# Altium PCB hep-0001.PcbDoc (part 1 of 2) (continued)
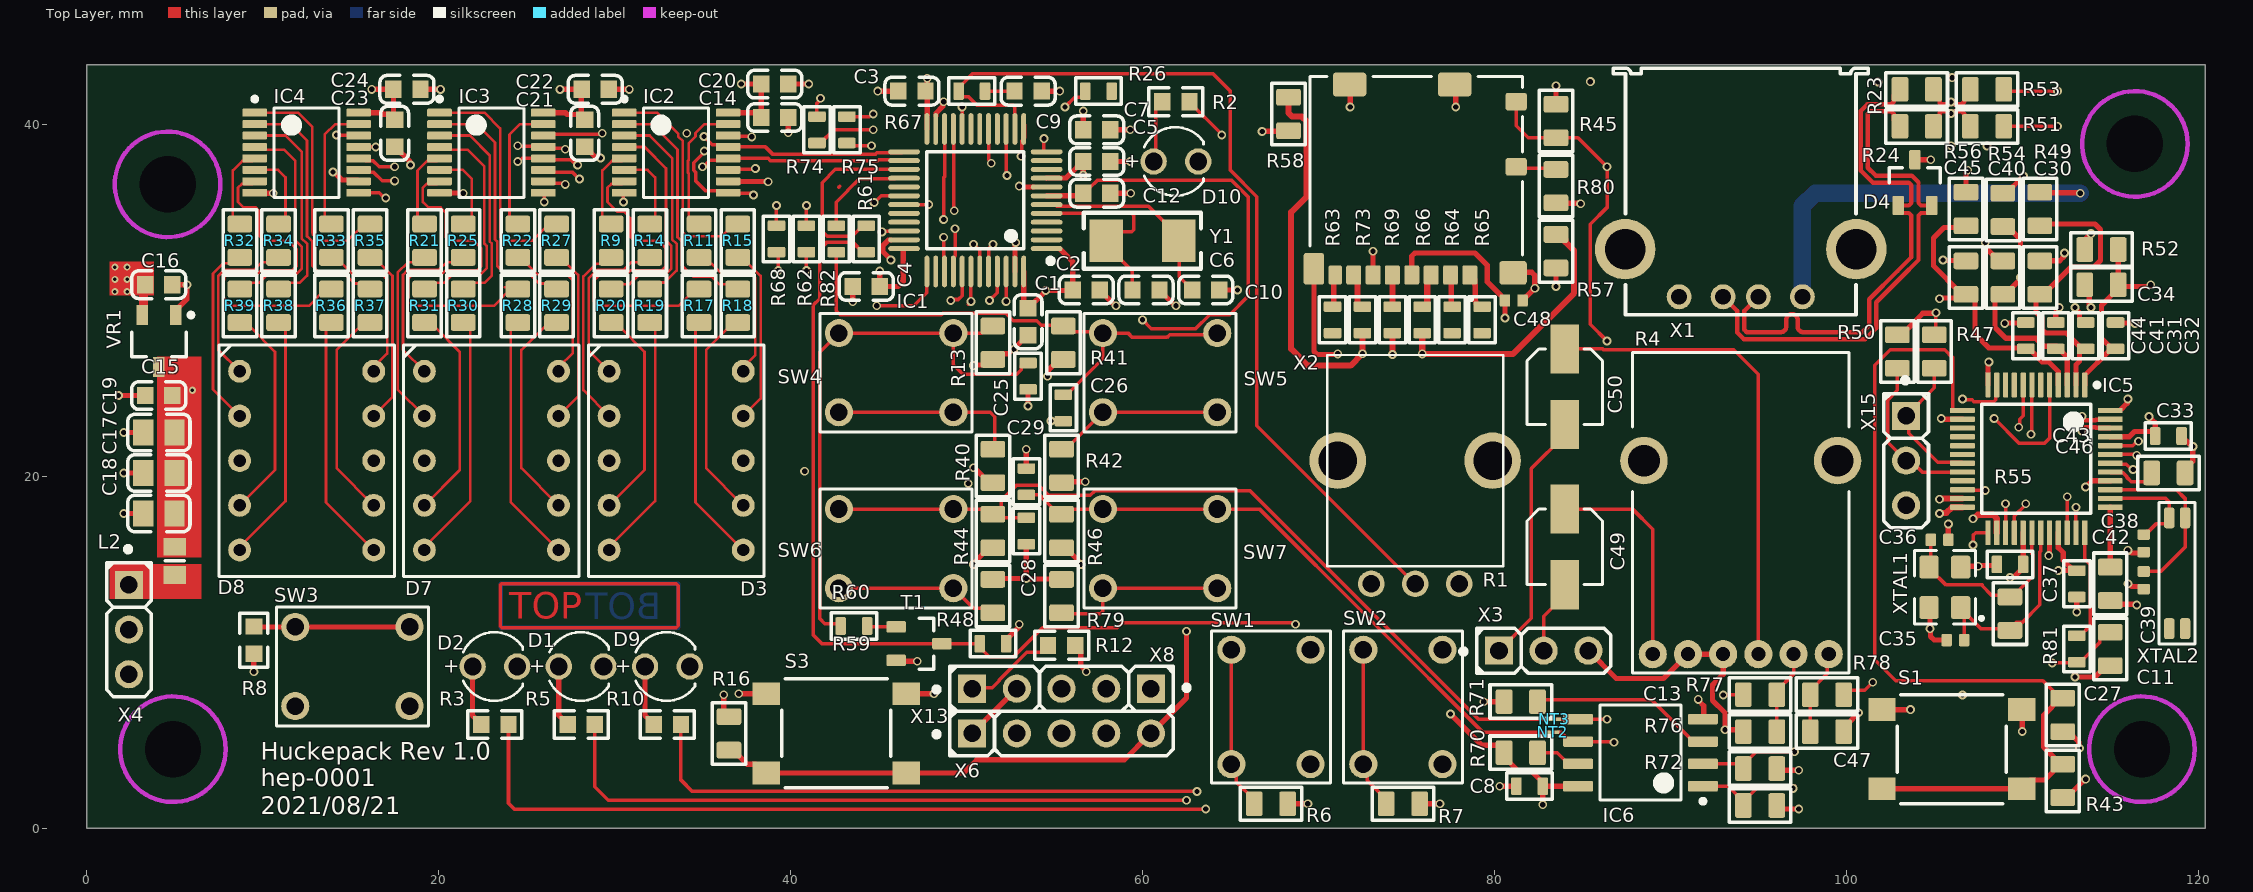
[diagram p0: Top Layer view]
## Footprints (in the part's own frame and the unit in brackets; to place one, negate y for a bottom-side part, rotate by r counter-clockwise, add the part's x,y. Pads: shape width x height; smd on the part's side, far side on the other; paste and mask are expansions set on the pad)
6-0805_L [mm] "Chip Resistor, Body 2.0x1.2mm, IPC High Density"
  rect 1x1.3 smd: 1(-0.8,0) 2(0.8,0)
  silkscreen extent 0,-0.55 0,0.55, body extent -1.07,-0.7 1.07,0.7, height 0.7
0603_C [mm]
  rect 0.93x0.98 smd: 1(-0.77,0) 2(0.77,0)
  silkscreen extent -1.53,-0.79 1.54,0.79, body extent -0.8,-0.4 0.8,0.4, height 0.3
0603_R [mm]
  rect 0.93x0.98 smd: 1(-0.77,0) 2(0.77,0)
  silkscreen extent -1.53,-0.79 1.54,0.79, body extent -0.85,-0.4 0.85,0.4, height 0.56
0805_C [mm]
  rect 1.16x1.47 smd: 1(-0.89,0) 2(0.89,0)
  silkscreen extent -1.77,-1.04 1.77,1.04, body extent -1,-0.62 1,0.63, height 0.77
430182070816 [mm] "SMD Tact Switch, body 6x6mm"
  rect 1.55x1.3 smd: 1(-3.975,2.25) 2(-3.975,-2.25) 3(3.975,2.25) 4(3.975,-2.25)
  silkscreen extent -3.1,-3.1 3.1,3.1, body extent -4.5,-3.1 4.5,3.1, height 7
CAPAE4643X54M [mm] "Aluminum Electrolytic Capacitor, Body 4,30x4,30x5,40mm, IPC Low Density"
  rect 2.8x1.6 smd: 1(-2.15,0) 2(2.15,0)
  silkscreen extent -2.15,-2.15 2.15,2.15, body extent -2.3,-2.15 2.3,2.15, height 5.4
CAPC1005X55 [mm] "Chip Capacitor, 2-Leads, Body 1,0x0,5mm, imperial 0402"
  rrect25% 0.6x0.7 smd: 1(-0.5,0) 2(0.5,0)
  body extent -0.5,-0.3 0.5,0.3, height 0.55
CAPC1608X95N [mm] "Chip Capacitor, 2-Leads, Body 1,6x0,8mm, imperial 0603"
  rrect25% 0.6x1 smd: 1(-0.75,0) 2(0.75,0)
  silkscreen extent -1.3,-0.75 1.3,0.75, body extent -0.8,-0.4 0.8,0.4, height 0.3
CAPC2012X145N [mm] "Chip Capacitor, 2-Leads, Body 2,0x1,25mm, imperial 0805"
  rrect25% 0.95x1.4 smd: 1(-0.95,0) 2(0.95,0)
  silkscreen extent -1.75,-0.95 1.75,0.95, body extent -1,-0.62 1,0.63, height 0.78
CON_HEADER2.54_1x2W [mm]
  rect 1.6x1.6 hole 1: 1(0,2.54)
  round 1.6 hole 1: 2(0,0)
  silkscreen extent -1.27,-1.31 1.27,4.71, body extent -1.27,-1.27 1.27,3.81, height 9.51
CON_HEADER2.54_1x3W [mm]
  rect 1.6x1.6 hole 1: 1(0,2.54)
  round 1.6 hole 1: 2(0,0) 3(0,-2.54)
  silkscreen extent -1.27,-3.81 1.27,4.71, body extent -1.27,-3.81 1.27,3.94, height 8.39
CON_HEADER2.54_1x5W [mm]
  rect 1.6x1.6 hole 1: 1(0,5.08)
  round 1.6 hole 1: 2(0,2.54) 3(0,0) 4(0,-2.54) 5(0,-5.08)
  silkscreen extent -1.27,-6.35 1.27,7.25, body extent -1.27,-6.35 1.27,6.48, height 8.39
CON_USBA_F_61400416021 [mm] "USB Connector"
  round 1.42 hole 0.9: 1(-3.5,5.99) 2(-1,5.99) 3(1,5.99) 4(3.5,5.99)
  round 3.45 hole 2.3: S1(-6.57,3.28) S2(6.57,3.28)
  silkscreen extent -7.25,-7 7.25,7, body extent -8,-7 8,7, height 7.63
Epson_MC-146 [mm] "Crystals 32.768KHz"
  rrect50% 1.2x0.6 smd mask+0.075: 1(-3.15,-0.45) 2(3.15,-0.45) 3(3.15,0.45) 4(-3.15,0.45)
  silkscreen extent -4.03,-1.02 4.03,1.02, body extent -3.45,-0.7 3.45,0.7, height 1.3
LQFP-48_7x7x05P [mm]
  oval 0.28x1.8 smd mask+0.051: 1(-2.75,-4.05) 2(-2.25,-4.05) 3(-1.75,-4.05) 4(-1.25,-4.05) 5(-0.75,-4.05) 6(-0.25,-4.05) 7(0.25,-4.05) 8(0.75,-4.05) 9(1.25,-4.05) 10(1.75,-4.05) 11(2.25,-4.05) 12(2.75,-4.05) 25(2.75,4.05) 26(2.25,4.05) 27(1.75,4.05) 28(1.25,4.05) 29(0.75,4.05) 30(0.25,4.05) 31(-0.25,4.05) 32(-0.75,4.05) 33(-1.25,4.05) 34(-1.75,4.05) 35(-2.25,4.05) 36(-2.75,4.05)
  oval 1.8x0.28 smd mask+0.051: 13(4.05,-2.75) 14(4.05,-2.25) 15(4.05,-1.75) 16(4.05,-1.25) 17(4.05,-0.75) 18(4.05,-0.25) 19(4.05,0.25) 20(4.05,0.75) 21(4.05,1.25) 22(4.05,1.75) 23(4.05,2.25) 24(4.05,2.75) 37(-4.05,2.75) 38(-4.05,2.25) 39(-4.05,1.75) 40(-4.05,1.25) 41(-4.05,0.75) 42(-4.05,0.25) 43(-4.05,-0.25) 44(-4.05,-0.75) 45(-4.05,-1.25) 46(-4.05,-1.75) 47(-4.05,-2.25) 48(-4.05,-2.75)
  silkscreen extent -3.6,-4.43 2.75,2.75, body extent -4.5,-4.5 4.5,4.5, height 1.6
LTS-4301WC [mm]
  round 1.3 hole 0.7: 1(-3.81,5.08) 2(-3.81,2.54) 3(-3.81,0) 4(-3.81,-2.54) 5(-3.81,-5.08) 6(3.81,-5.08) 7(3.81,-2.54) 8(3.81,0) 9(3.81,2.54) 10(3.81,5.08)
  silkscreen extent -4.98,-6.59 4.99,6.59, body extent -4.85,-6.45 4.85,6.45, height 4
MOLEX_104031-0811 [mm]
  rrect25% 0.85x1.1 smd mask+0.05: 1(3.105,-5.45) 2(2.005,-5.45) 3(0.905,-5.45) 4(-0.195,-5.45) 5(-1.295,-5.45) 6(-2.395,-5.45) 7(-3.495,-5.45)
  rrect25% 0.75x1.1 smd mask+0.05: 8(-4.545,-5.45)
  rrect25% 1.2x1 smd mask+0.05: 9(5.74,0.7) 10(5.74,4.4)
  rrect25% 1.55x1.35 smd mask+0.05: G1(5.565,-5.325)
  rrect25% 1.17x1.8 smd mask+0.05: G2(-5.755,-5.1)
  rrect25% 1.9x1.35 smd mask+0.05: G3(-3.73,5.375) G4(2.24,5.375)
  silkscreen extent -5.97,-6.9 6.11,5.83, body extent -6.17,-5.35 5.78,6.05, height 1.44
NET_TIE_0.2MM [mm] "NET_TIE_0.2MM"
  rect 0.4x0.2 smd paste-10 mask-10: 1(-0.175,0) 2(0.175,0)
NET_TIE_3MM [mm] "NET_TIE_3MM"
  rect 0.6x3 smd paste-10 mask-10: 1(-0.25,0) 2(0.25,0)
PTV09 [mm]
  round 1.508 hole 1: 1(-2.5,-7) 2(0,-7) 3(2.5,-7)
  round 3.216 hole 2.2: NC1(-4.4,0) NC2(4.4,0)
  silkscreen extent -5,-6 5,6, body extent -5.89,-6.8 5.5,5.8, height 25.5
RESC1608X55N [mm] "Chip Resistor, 2-Leads, Body 1,6x0,85mm, imperial 0603"
  rrect25% 0.6x1 smd: 1(-0.75,0) 2(0.75,0)
  silkscreen extent -1.3,-0.75 1.3,0.75, body extent -0.8,-0.4 0.8,0.4, height 0.55
RESC2012X70N [mm] "Chip Resistor, 2-Leads, Body 2,0x1,25mm, imperial 0805"
  rrect25% 0.95x1.4 smd: 1(-0.95,0) 2(0.95,0)
  silkscreen extent -1.75,-0.95 1.75,0.95, body extent -1,-0.6 1,0.6, height 0.7
rk12l123 [mm] "12mm Size Insulated Shaft Snap-in Type"
  round 1.6 hole 0.8: 1(-1,-11) 2(1,-11) 3(3,-11) 4(-3,-11) 5(-5,-11) 6(5,-11)
  round 2.7 hole 1.8: MT(-5.5,0) MT(5.5,0)
  silkscreen extent -6.14,-12.07 6.14,6.13, body extent -6.8,-11.3 6.8,6, height 25
SMD-5032_2P [mm]
  rect 1.9x2.4 smd: 1(-2.05,0) 2(2.05,0)
  silkscreen extent -3.32,-1.6 3.32,1.6
SOIC127P790X216-8N [mm] "SOIC, 8-Leads, Body 5,28x5,28mm, Pitch 1,27mm, IPC Medium Density"
  rrect25% 1.7x0.6 smd: 1(-3.55,1.905) 2(-3.55,0.635) 3(-3.55,-0.635) 4(-3.55,-1.905) 5(3.55,-1.905) 6(3.55,-0.635) 7(3.55,0.635) 8(3.55,1.905)
  silkscreen extent -3.68,-2.7 2.3,2.88, body extent -3.95,-2.7 3.95,2.7, height 2.16
SOT95P280X135-3N_123 [mm] "SOT23, 3-Leads, Body 3,0x3,0mm (max), Pitch 0,95mm, IPC Medium Density"
  rrect25% 1.1x0.65 smd: 1(-1.3,0.95) 2(-1.3,-0.95) 3(1.3,0)
  silkscreen extent 0,-1.45 0.85,1.45, body extent -1.3,-1.5 1.34,1.5, height 1.08
SOT95P280X135-3N_BEC [mm] "SOT23, 3-Leads, Body 3,0x3,0mm (max), Pitch 0,95mm, IPC Medium Density"
  rrect25% 1.1x0.65 smd: B(-1.3,0.95) C(1.3,0) E(-1.3,-0.95)
  silkscreen extent 0,-1.45 0.85,1.45, body extent -1.3,-1.5 1.34,1.5, height 1.08
SOT-23-3L [mm] "http://www.aosmd.com/res/packaging_information/SOT-23-3L.pdf"
  rect 1.15x0.65 smd: 1(1.475,-0.95) 2(1.475,0.95) 3(-1.475,0)
  silkscreen extent -0.9,-1.95 1.6,1.55, body extent -0.9,-1.55 0.9,1.55, height 1.25
TL1105D [mm] "Tastschalter SPST-Schließer Von oben betätigt Durchkontaktierung"
  round 1.6 hole 1: 1(-3.25,2.25) 2(-3.25,-2.25) 3(3.25,2.25) 4(3.25,-2.25)
  silkscreen extent -4.33,-3.37 4.33,3.37, body extent -3.95,-3 3.95,3, height 13.01
TSOP65P640X120-16N_2 [mm] "TSOP, 16-Leads, Body 5,00x4,40mm, Pitch 0,65mm, IPC Medium Density"
  rrect25% 1.4x0.45 smd mask+0.05: 1(-2.95,2.275) 2(-2.95,1.625) 3(-2.95,0.975) 4(-2.95,0.325) 5(-2.95,-0.325) 6(-2.95,-0.975) 7(-2.95,-1.625) 8(-2.95,-2.275) 9(2.95,-2.275) 10(2.95,-1.625) 11(2.95,-0.975) 12(2.95,-0.325) 13(2.95,0.325) 14(2.95,0.975) 15(2.95,1.625) 16(2.95,2.275)
  silkscreen extent -3.07,-2.55 1.85,3.17, body extent -3.2,-2.55 3.2,2.55, height 1.2
TSQFP50P900X900X160-48N [mm] "TSQFP, 48-Leads, Body 7,00x7,00mm, Pitch 0,50mm, IPC Medium Density"
  rrect25% 1.4x0.3 smd mask+0.05: 1(-4.2,2.75) 2(-4.2,2.25) 3(-4.2,1.75) 4(-4.2,1.25) 5(-4.2,0.75) 6(-4.2,0.25) 7(-4.2,-0.25) 8(-4.2,-0.75) 9(-4.2,-1.25) 10(-4.2,-1.75) 11(-4.2,-2.25) 12(-4.2,-2.75) 25(4.2,-2.75) 26(4.2,-2.25) 27(4.2,-1.75) 28(4.2,-1.25) 29(4.2,-0.75) 30(4.2,-0.25) 31(4.2,0.25) 32(4.2,0.75) 33(4.2,1.25) 34(4.2,1.75) 35(4.2,2.25) 36(4.2,2.75)
  rrect25% 0.3x1.4 smd mask+0.05: 13(-2.75,-4.2) 14(-2.25,-4.2) 15(-1.75,-4.2) 16(-1.25,-4.2) 17(-0.75,-4.2) 18(-0.25,-4.2) 19(0.25,-4.2) 20(0.75,-4.2) 21(1.25,-4.2) 22(1.75,-4.2) 23(2.25,-4.2) 24(2.75,-4.2) 37(2.75,4.2) 38(2.25,4.2) 39(1.75,4.2) 40(1.25,4.2) 41(0.75,4.2) 42(0.25,4.2) 43(-0.25,4.2) 44(-0.75,4.2) 45(-1.25,4.2) 46(-1.75,4.2) 47(-2.25,4.2) 48(-2.75,4.2)
  silkscreen extent -4.32,-3.1 3.1,3.57, body extent -4.5,-4.5 4.5,4.5, height 1.6
WL-TMRC_3MM_10MM_SPACE [mm] "THT Mono-color Round Color LED, 2-leads"
  round 1.5 hole 1: 1(1.27,0) 2(-1.27,0)
  silkscreen extent -1.8,-1.95 1.57,1.95, body extent -2.13,-2.25 2.13,2.25, height 15.3
XTAL_ECS-122.8-10-33-AGL-TR [mm] "XTAL_ECS-122.8-10-33-AGL-TR"
  rrect25% 1.3x1.1 smd: 1(-1.15,-0.9) 2(1.15,-0.9) 3(1.15,0.9) 4(-1.15,0.9)
  silkscreen extent -2.08,-2.17 2.08,1.74, body extent -1.6,-1.25 1.6,1.25, height 0.8

## Part data
C1 C2 C3 C12 C14 C21 C23: library part "0603 100nF (104) 10% 50V", "Chip capacitors", Manufacturer=YAGEO, Package=0603, PartNumber=CC0603KRX7R9BB104, SuppliersPartNumber=C14663, Tolerance=10%, Voltage=50V, Capacitance=100nF, ComponentLink1Description="Supplier link", ComponentLink1URL=http://www.szlcsc.com/product/details_15331.html, Supplier=LC
C4: library part "0603 4.7uF (475) 10% 16V", "Chip capacitors", Manufacturer="Samsung Electro-Mechanics", Package=0603, PartNumber=CL10A475KO8NNNC, SuppliersPartNumber=C19666, Tolerance=10%, Voltage=16V, Capacitance=4.7uF, ComponentLink1Description="Supplier link", ComponentLink1URL=http://www.szlcsc.com/product/details_20375.html, Supplier=LC
C5 C9 C15 C16 C20 C22 C24: library part "0603 1uF (105) 10% 50V", "Chip capacitors", Manufacturer="Samsung Electro-Mechanics", Package=0603, PartNumber=CL10A105KB8NNNC, SuppliersPartNumber=C15849, Tolerance=10%, Voltage=50V, Capacitance=1uF, ComponentLink1Description="Supplier link", ComponentLink1URL=http://www.szlcsc.com/product/details_16531.html, Supplier=LC
C6 C10: library part "0603 22pF (220) 5% 50V", "Chip capacitors", Manufacturer="Samsung Electro-Mechanics", Package=0603, PartNumber=CL10C220JB8NNNC, SuppliersPartNumber=C1653, Tolerance=5%, Voltage=50V, Capacitance=22pF, ComponentLink1Description="Supplier link", ComponentLink1URL=http://www.szlcsc.com/product/details_2005.html, Supplier=LC
C7: library part "0603 10nF (103) 10% 50V", "Chip capacitors", Manufacturer="Guangdong Fenghua Advanced Tech", Package=0603, PartNumber=0603B103K500NT, SuppliersPartNumber=C57112, Tolerance=10%, Voltage=50V, Capacitance=10nF, ComponentLink1Description="Supplier link", ComponentLink1URL=http://www.szlcsc.com/product/details_58143.html, Supplier=LC
C8 C25 C26 C28 C29 C31 C32 C33 C37 C41 C44 C46: library part CAP_100nF_0603, "Multilayer Ceramic Capacitors MLCC - SMD/SMT, 100nF", JLC=C14663, Manufacturer=YAGEO, Manufacturer Part Number=CC0603KRX7R9BB104, Tolerance=10%, Voltage Rating=50VDC, Alternatives allowed=yes
C11 C27 C42: library part CAP_1uF_0805, "Multilayer Ceramic Capacitors MLCC - SMD/SMT, 1uF", JLC=C28323, Manufacturer="Samsung Electro-Mechanics", Manufacturer Part Number=CL21B105KBFNNNE, Tolerance=10%, Voltage Rating=50V, Alternatives allowed=yes
C13 C47: library part CAP_1nF_630V, "Multilayer Ceramic Capacitors MLCC - SMD/SMT - SMD/SMT, C0G(NP0), 1nF", Manufacturer="Murata Electronics", Manufacturer Part Number=GRM21B5C2J102JWA3L, Tolerance=5%, Voltage Rating=630VDC, Alternatives allowed=yes
C17 C18 C19: library part "0805 10uF (106) 10% 25V", "Chip capacitors", Manufacturer="Samsung Electro-Mechanics", Package=0805, PartNumber=CL21A106KAYNNNE, SuppliersPartNumber=C15850, Tolerance=10%, Voltage=25V, Capacitance=10uF, ComponentLink1Description="Supplier link", ComponentLink1URL=http://www.szlcsc.com/product/details_16532.html, Supplier=LC
C30 C34 C40 C43 C45: library part CAP_10uF_0805, "Multilayer Ceramic Capacitors MLCC - SMD/SMT, 10uF", JLC=C15850, Manufacturer="Samsung Electro-Mechanics", Manufacturer Part Number=CL21A106KAYNNNE, Tolerance=10%, Voltage Rating=25V, Alternatives allowed=yes
C35 C36: library part CAP_8p_25V_0402, "Multilayer Ceramic Capacitors MLCC - SMD/SMT 01005 25VDC 8pF Tol 0.1pF C0G", Manufacturer="Taiyo Yuden", Manufacturer Part Number=TMK042CG080BD-W, Voltage Rating=25V, Alternatives allowed=YES, Notes="C0G, 0402"
C38 C39: library part CAP_10p_25V_0402, "Multilayer Ceramic Capacitors MLCC - SMD/SMT 01005 25VDC 10pF Tol 0.5pF C0G", Manufacturer="Taiyo Yuden", Manufacturer Part Number=TMK042CG100DD-W, Voltage Rating=25V, Alternatives allowed=YES, Notes="C0G, 0402"
C48: library part 100n_50V_0402, "MLCC - SMD/SMT 100nF 50Volts 10%", Manufacturer=Yageo, Manufacturer Part Number=CC0402KRX5R9BB104, Tolerance=+-10%, Voltage Rating=50V, Alternatives allowed=YES, Notes="X5R, 0402"
C49 C50: library part CAP_22u, "Aluminium Electrolytic Capacitors - SMD 22UF 16V HA SMD", Manufacturer=Panasonic, Manufacturer Part Number=EEE-HAC220WAR, Tolerance=20%, Voltage Rating=16V, Alternatives allowed=NO
D1 D2 D9 D10: library part 151031SS06000_Spacer_10mm, "WL-TMRC THT Mono-color Round Color, size 3mm, Super Red, 2.2V, 60deg", Emitting Color="Super Red", Forward Voltage=2.2V, Operating Temperature="-40 to +85degC", Part Number=151031SS06000, Chip Technology=AlGaAs, ComponentLink1Description=Manufacturer, ComponentLink1URL=http://www.we-online.de, ComponentLink2Description=Datasheet, ComponentLink2URL=https://katalog.we-online.de/led/datasheet/151031SS06000.pdf, Dominant Wavelength=640nm, Luminous Intensity=35mcd, Mounting Technology=THT, Packaging=Bulk, Peak Wavelength=650nm, Published Date="October 2019", Publisher="Wurth Elektronik", Size=3mm, Viewing Angle=60deg
D3 D7 D8: library part 7-SEGMENT-10mm, "LED Displays & Accessories 1-Digit SMD Display Red Low-Cur .40", JLC=C84256, Manufacturer=Lite-On, Manufacturer Part Number=LTS-4301WC, Alternatives allowed=YES
D4: "ESD Suppressors / TVS Diodes DIODE ESD PROT", Manufacturer=Nexperia, Voltage Rating=3.3V, Alternatives allowed=YES, Manufacturer Part Number=PESD2USB3UX-TR
IC1: "ARM", JLC=C8734, Manufacturer=STMicroelectronics, ComponentLink1Description=供应商链接, ComponentLink1URL=http://www.szlcsc.com/product/details_9243.html, Manufacturer Part Number=STM32F103C8T6
IC2 IC3 IC4: library part IC_SN74HCS595, "Counter Shift Registers 8-bit serial-in/parallel-out shift register 16-TSSOP -40 to 125", Manufacturer="Texas Instruments", Alternatives allowed=NO, Manufacturer Part Number=SN74HCS595PWR
IC5: library part IC_VS1010D-L, "DSP audio microcontroller, QFP-48", Manufacturer=VLSI, Manufacturer Part Number=VS1010D-Q, Alternatives allowed=NO
IC6: library part IC_SST25VF080B-50-4C-S2AF-T, "NOR Flash 8M (1Mx8) 50MHz 2.7-3.6V Commercial", Manufacturer="Microchip Technology", Alternatives allowed=NO, Manufacturer Part Number=SST25VF080B-50-4C-S2AF-T
L2: library part "0805 100R@100Mhz 0.8A", "Ferrite Bead", Package=0805, SuppliersPartNumber=C1015, Supplier=Sunlord
NT1: "3mm NetTie", Notes="PCB connection only"
NT2 NT3: "0.2mmmm NetTie", Notes="PCB connection only"
R1: "Potentiometers PANEL CONTROL - 9MM-ST-CA 50 kohms 30 mm", Manufacturer=Bourns, Manufacturer Part Number=PTV09A-4030S-A503, Tolerance=20%
R2 R3 R5 R10: library part "0603 130R (1300) 1%", "Chip resistor", Manufacturer="Uniroyal Elec", Package=0603, PartNumber=0603WAF1300T5E, Power=1/10W, Resistance=130Ω, SuppliersPartNumber=C22796, Tolerance=1%, ComponentLink1Description="Supplier link", ComponentLink1URL=http://www.szlcsc.com/product/details_23523.html, Supplier=LC
R4: library part POT_10k_lin_dual_12mm_flat, "Potentiometers 12MM V/ADJ ; 10KoHM", Manufacturer="Alps Alpine", Manufacturer Part Number=RK12L123000G, Tolerance=20%
R6 R7 R13 R16 R41 R43 R44 R45 R46 R47 R50 R70 R71 R72 R76: library part RES_100k_0805, "Thick Film Resistors - SMD 1/8watt 100Kohms 1% 100ppm", JLC=C17407, Manufacturer="Vishay / Dale", Manufacturer Part Number=CRCW0805100KFKEA, Tolerance=1%, Voltage Rating=150V, Alternatives allowed=YES
R8 R12: library part "0603 100K (1003) 1%", "Chip resistor", Manufacturer="Uniroyal Elec", Package=0603, PartNumber=0603WAF1003T5E, Power=1/10W, Resistance=100KΩ, SuppliersPartNumber=C25803, Tolerance=1%, ComponentLink1Description="Supplier link", ComponentLink1URL=http://www.szlcsc.com/product/details_26546.html, Supplier=LC
R9 R11 R14 R15 R17 R18 R19 R20 R21 R22 R25 R27 R28 R29 R30 R31 R32 R33 R34 R35 R36 R37 R38 R39 R77 R78: library part RES_390R_0805, "Thick Film Resistors - SMD 1/8Watt 390ohms 1% Commercial Use", JLC=C17655, Manufacturer="Vishay / Dale", Manufacturer Part Number=CRCW0805390RFKEA, Tolerance=1%, Voltage Rating=150V, Alternatives allowed=YES
R23 R24: library part RES_0R_0805, "Thick Film Resistors - SMD 1/8watt ZEROohm Jumper", JLC=C17477, Manufacturer=Vishay, Manufacturer Part Number=CRCW08050000Z0EA, Tolerance=1%, Voltage Rating=150V, Alternatives allowed=YES
R26 R61 R62 R67 R68 R74 R75 R81 R82: library part RES_0R_0603, "Thick Film Resistors - SMD 1/10watt ZEROohm Jumper", Manufacturer=Vishay, Manufacturer Part Number=CRCW06030000Z0EA, Tolerance=1%, Voltage Rating=75V, Alternatives allowed=YES
R40: library part RES_47k_0805, "Thick Film Resistors - SMD 1/8watt 47Kohms 1%", JLC=C17713, Manufacturer="Vishay / Dale", Manufacturer Part Number=CRCW080547K0FKEB, Tolerance=1%, Voltage Rating=150V, Alternatives allowed=YES
R42 R48 R57 R58 R79 R80: library part RES_10k_0805, "Thick Film Resistors - SMD 1/8watt 10Kohms 1% 100ppm", JLC=C17414, Manufacturer="Vishay / Dale", Manufacturer Part Number=CRCW080510K0FKEA, Tolerance=1%, Voltage Rating=150V, Alternatives allowed=YES
R49 R52 R54 R56: library part "0805 0R (0R0) 1%", "Chip resistor", JLC=C17477, Manufacturer="Vishay / Dale", Manufacturer Part Number=CRCW08050000Z0EAC, Tolerance=1%, Alternatives allowed=YES
R51 R53 R55: library part RES_470k_0805, "Thick Film Resistors - SMD 1/8Watt 470Kohms 1% Commercial Use", JLC=C17709, Manufacturer="Vishay / Dale", Manufacturer Part Number=CRCW0805470KFKEAC, Tolerance=1%, Voltage Rating=150V, Alternatives allowed=YES
R59 R60: library part RES_100k_0603, "Thick Film Resistors - SMD 1/10Watt 100Kohms 1% Commercial Use", Manufacturer=Vishay, Manufacturer Part Number=CRCW0603100KFKEAC, Tolerance=1%, Voltage Rating=75V, Alternatives allowed=YES
R63 R64 R65 R66 R69 R73: library part RES_22R_0603, "SMD Chip Resistor, 0603 [1608 Metric], 22 ohm, MCWF06P Series, 50 V, Thick Film, 125 mW", Manufacturer=Multicomp, Manufacturer Part Number=MCWF06P22R0FTL, Tolerance=1%, Voltage Rating=50V, Alternatives allowed=YES
S1 S3: "WS-TASV SMT Tact Switch 6x6mm, height 7mm, 160gf", Operating Temperature="-40 to +85degC", Part Number=430182070816, Rated Current=50mA, Rated Voltage=12VDC, ComponentLink1Description=Manufacturer, ComponentLink1URL=http://www.we-online.de, ComponentLink2Description=Datasheet, ComponentLink2URL=https://katalog.we-online.com/em/datasheet/430182070816.pdf, Contact Material="Stainless Steel", Contact Plating=Silver, Height=7mm, Mounting Technology=SMT, Operation Force=160gf, Packaging="Tape and Reel", Published Date="September 2019", Publisher="Wurth Elektronik", Terminal Material="Copper Alloy", Terminal Plating=Silver, Washable=No
SW1 SW2 SW3 SW4 SW5 SW6 SW7: library part "SW_ TL1105DF160Q", "Tastschalter SPST-Schließer Von oben betätigt Durchkontaktierung", Manufacturer=E-Switch, Manufacturer Part Number=TL1105DF160Q, Alternatives allowed=NO
T1: library part T_BC850CLT1G, "Bipolarer Einzeltransistor (BJT), NPN, 30 V, 100 MHz, 225 mW, 100 mA, 110 hFE", Manufacturer="ON SEMICONDUCTOR", Manufacturer Part Number=BC850CLT1G, Voltage Rating=45V, Alternatives allowed=NO
VR1: library part "SOT-23 XC6206P332MR", "低压差线性稳压(LDO)", Package=SOT-23, SuppliersPartNumber=C5446, ComponentLink1Description=供应商链接, ComponentLink1URL=http://www.szlcsc.com/product/details_5896.html, Supplier=LC
X1: library part CON_USB_A_FEMALE, "USB 2.0 Type A Horizontal", Lumira Part Number=S-QMS-SPEC-32510, Manufacturer="WURTH ELEKTRONIK", Manufacturer Part Number=61400416021, Alternatives allowed=NO
X2: library part Molex_104031-0811, "Memory Card Connectors MICRO SD PUSH-PULL SMT 1.42MM HEIGHT", Manufacturer=Molex, Manufacturer Part Number=104031-0811, Alternatives allowed=NO
X3 X15: library part CON_HEADER_1X3, "Board-to-Board-Steckverbinder, 2.54 mm, 3 Kontakt(e), Stiftleiste 1-Reihig", Manufacturer=Samtec, Manufacturer Part Number=TSW-103-07-T-S, Alternatives allowed=YES
X4 X8: library part CON_HEADER_1X3, "Board-to-Board-Steckverbinder, 2.54 mm, 3 Kontakt(e), Stiftleiste 1-Reihig", Lumira Part Number=S-QMS-SPEC-32502, Manufacturer=Samtec, Manufacturer Part Number=TSW-103-07-T-S, Alternatives allowed=YES
X6: library part CON_HEADER_1X5, "Board-to-Board-Steckverbinder, 2.54 mm, 5 Kontakt(e), Stiftleiste 1-Reihig", Manufacturer=Samtec, Manufacturer Part Number=TSW-105-07-T-S, Alternatives allowed=YES
X13: library part CON_HEADER_1X2, "Board-to-Board-Steckverbinder, 2.54 mm, 2 Kontakt(e), Stiftleiste 1-Reihig", Lumira Part Number=S-QMS-SPEC-32507, Manufacturer=Samtec, Manufacturer Part Number=TSW-102-07-T-S, Alternatives allowed=YES
XTAL1: library part XTAL_ECS-122.8-10-33-AGL-TR, "Crystals 12.288MHz 25ppm 10pF -10C +70C", Manufacturer=ECS, Manufacturer Part Number=ECS-122.8-10-33-AGL-TR, Alternatives allowed=NO
XTAL2: library part "XTAL_MC-146 32.7680KA-A3: PURE SN", "Crystals 32.768KHz 9pF 20ppm -40c +85C", Manufacturer=Epson, Manufacturer Part Number="MC-146 32.768KA-AC3:ROHS", Supplier Part Number 1=732-MC14632.76KAAC3R, Alternatives allowed=NO, Supplier 1=Mouser
Y1: library part "SMD-5032_2P 8MHz 20ppm 20pF", "贴片晶振", Package=SMD-5032_2P, SuppliersPartNumber=C115962, ComponentLink1Description=供应商链接, ComponentLink1URL=http://www.szlcsc.com/product/details_117214.html, Supplier=LC

## Free pads (board coordinates)
  round 1.524 hole 3.2 unplated: MT-1(4.6,36.6) MT-1(4.9,4.5) MT-2(116.4,38.9) MT-2(116.8,4.5)

## Via types
v1: diameter 0.5, hole 0.3, Top Layer to GND, tented bottom, 199 vias
v2: diameter 0.5, hole 0.3, Top Layer to GND, 12 vias
v3: diameter 0.4, hole 0.2, Top Layer to GND, tented bottom, 7 vias

## Nets (pads, with @x,y where several pads share a name; then routed paths per layer and width w, separated by ;. In a path a pad name is that pad's centre, name@x,y a point inside that pad or via, vN(x,y) a via of type N, cw(c..) or ccw(c..) an arc to the next point about the centre after c; other vN are vias at no path point)
3V3: C1.2 C2.2 C3.2 C4.2 C5.1 C7.1 C14.2 C16.2 C20.2 C21.2 C22.2 C23.2 C24.2 IC1.1 IC1.9 IC1.24 IC1.36 IC1.48 IC2.10 IC2.16 IC3.10 IC3.16 IC4.10 IC4.16 R1.3 R6.2 R7.2 R8.2 R16.2 VR1.2 X4.3 X6.1 X13.2 | length 178.5
  Top Layer w0.2: IC3.10@25.95,36.725 26.018,36.657 27.143,36.657 v1(27.2,36.6)
  Top Layer w0.3: v3@2.4,30.5 2.427,30.5 2.527,30.6 C16.2@3.019,30.6 ; v1(9.5,8.9) R8.2@9.5,9.85 ; v2(14,37.3) 14.054,37.3 14.504,36.85 15.375,36.85 IC4.10@15.45,36.775 ; IC4.16@15.45,40.675 16.745,40.675 16.835,40.585 17.185,40.585 C23.2@17.5,40.27 ; v1(16.2,42) C24.2@17.43,42 C23.2@17.43,40.27 ; IC3.16@25.95,40.675 27.2,40.675 27.303,40.572 C21.2@27.998,40.572 ; v1(26.9,42) C22.2@28.1,42 ; C21.2@28.023,40.547 C21.2@28.3,40.27 ; C21.2@28.1,40.585 C22.2@28.1,42 ; C22.2@28.13,42 C22.2@28.1,42 ; R16.2@36.2,6.65 v1(36.2,7.6) ; IC2.16@36.45,40.675 38.015,40.675 38.2,40.49 C14.2@38.2,40.4 ; IC2.10@36.67,36.8 36.708,36.762 38.713,36.762 v1(38.725,36.75) ; v1(37.2,42.3) C20.2@38.33,42.3 C14.2@38.33,40.4 ; v1@45.1,31.7 v1(45.07,31.67) C4.2@45.07,30.8 46.1,30.8 46.4,31.1 IC1.36@46.4,32.9 ; v1@47.7,42.7 v1(47.77,42.63) 47.77,40.51 47.75,40.49 IC1.24@47.75,39.75 ; X6.1@50.2,5.8 50.72,5.8 52.9,7.98 X13.2@52.9,8 ; IC1.48@53.25,31.65 53.25,29.82 C1.2@53.5,29.57 53.525,29.57 54.5,30.545 v1(54.5,30.57) 56,30.57 C2.2@56.03,30.6 56.03,32.21 55.29,32.95 IC1.1@54.55,32.95 ; IC1.9@54.55,36.95 54.56,36.96 55.66,36.96 C5.1@56.3,37.6 ; v1@56.6,37.1 v1(56.63,37.13) C5.1@56.63,37.9 ; v1@56.6,40.8 v1(56.63,40.77) C7.1@56.63,39.7 ; R6.2@68.45,1.4 v1(69.4,1.4) ; R7.2@75.95,1.4 v1(76.9,1.4)
  Top Layer w0.5: VR1.2@3.15,29.175 3.225,29.25 3.225,29.788 3.23,29.793 3.23,30.8 C16.2@3.33,30.9
  Signal_1 w0.15: v1(36.2,7.6) 36.2,3.2 36.5,2.9
  Signal_1 w0.3: X6.1@50.7,5.1 50.7,5.02 53.07,2.65 63.55,2.65 64.8,1.4 v1(69.4,1.4) v1(76.9,1.4)
  Signal_1 w1: v3@1.7,31.2 v3(2.3,31.2) 2.4,31.2 4.5,29.1 4.5,11.9 7.044,9.356 ; X4.3@2.427,8.773 6.461,8.773 7.044,9.356 ; v1(9.5,8.9) 8.5,7.9 ; X6.1@50.32,5.4 47.82,2.9 36.5,2.9 13.5,2.9 8.5,7.9 ; 7.044,9.356 8.5,7.9
  Signal_2 w0.3: v1(76.9,1.4) 74.446,3.854 74.446,14.337 75.212,15.103 76.797,15.103 R1.3@78,13.9
  other v3: 1.6,30.5 2.3,30.5 1.6,31.2 1.6,31.9 2.3,31.9
5V0: C15.2 C17.2 C18.2 C19.2 C25.2 L2.2 R40.2 R49.1 VR1.3 X1.1 | length 244.3
  Top Layer w0.3: v1(50.4,20.5) 50.425,20.5 51.355,19.57 R40.2@51.5,19.57 ; v1(53.5,24) C25.2@53.5,24.95 ; R49.1@111.05,36.1 111.075,36.125 113.275,36.125 v1(113.3,36.1)
  Signal_1 w0.3: v3(6,24.9) 8,26.9 8.266,26.9 8.296,26.93 37.704,26.93 37.734,26.9 52.252,26.9 52.472,26.68 53.045,26.68 53.5,26.225 v1(53.5,24) 53.5,22.7 53.2,22.4 50.9,22.4 50.4,21.9 v1(50.4,20.5) v1@50.4,20.4
  Signal_1 w1: v3(6,24.9) 6,15.249 14.5,6.749 16.101,6.749 17.35,5.5 32.827,5.5 37.727,10.4 60.539,10.4 65.539,5.4 83.886,5.4 85.286,4 95.427,4 96.677,5.25 103.427,5.25 104.077,4.6 111.127,4.6 118.3,11.773 118.3,31.729 113.929,36.1 v1(113.3,36.1)
  GND w1: X1.1@97.5,30.21 97.5,35.37 98.23,36.1 v1(113.3,36.1)
5V0_IN: L2.1 X4.1
AGND: C32.1 C33.1 C34.1 C43.1 IC5.40 NT1.1 | length 6.3
  Top Layer w0.3: C34.1@113.55,30.9 113.8,30.65 113.8,29.754 113.9,29.654 v1(113.9,29.6) ; v1(113.6,19.4) 113.95,19.75 IC5.40@115,19.75 ; C32.1@115.35,28.7 115.375,28.725 116.375,28.725 v1(116.4,28.7) ; C43.1@119.25,20.2 119.25,20.425 119.69,20.865 119.69,21.69 v1(119.7,21.7) 119.646,21.7 C33.1@119.3,22.046
AMP_SHD: IC5.6
Audio_Buffer: C13.1 C47.1 IC5.43 R4.1 R4.4 X3.3 | length 64
  Top Layer w0.2: IC5.43@115,21.25 116.45,21.25 v1(116.5,21.2)
  Top Layer w0.3: X3.3@85.34,10.1 86.926,8.514 89.614,8.514 R4.4@91,9.9 R4.1@93,9.9 93,8.757 92.4,8.157 92.4,7.269 93.1,6.569 v1(93.1,5.6) 94.05,5.6 C13.1@94.15,5.5 ; C47.1@100.088,5.037 100.088,5.963 100.694,6.569 v1(100.697,6.569)
  Signal_2 w0.3: X3.3@85.34,10.1 85.34,9.993 86.583,8.75 101.172,8.75 101.272,8.85 104.678,8.85 109.85,14.022 109.85,14.628 112.293,17.071 112.649,17.071 114.168,18.591 114.168,19.581 115.788,21.2 v1(116.5,21.2) ; v1(93.1,5.6) 94.069,6.569 v1(100.697,6.569)
Audio_Left: IC5.44 R77.2 | length 35.5
  Top Layer w0.2: v1(93,7.585) 93.015,7.6 R77.2@94.15,7.6 ; IC5.44@115,21.75 116.269,21.75 116.519,22 v1(116.6,22)
  Signal_2 w0.2: v1(93,7.585) 93.5,8.085 97.461,8.085 97.746,7.8 101.707,7.8 101.993,8.085 106.688,8.085 117.1,18.498 117.1,21.595 116.836,21.859 116.823,21.859 116.681,22 v1(116.6,22)
Audio_Left_Con: C50.2 X3.1 | length 14.4
  Top Layer w0.2: X3.1@80.26,10.1 82.1,11.94 82.1,20.45 84,22.35 C50.2@84,22.95
Audio_Right: IC5.42 R78.2 | length 24.5
  Top Layer w0.2: R78.2@99.85,7.6 100.1,7.85 101.05,7.85 v1(101.5,8.3) ; IC5.42@115,20.75 115.05,20.7 115.919,20.7 116.219,20.4 v1(116.3,20.4)
  Signal_2 w0.2: v1(101.5,8.3) 101.557,8.357 101.77,8.357 101.848,8.435 106.543,8.435 116.3,18.193 v1(116.3,20.4)
Audio_Right_Con: C49.2 X3.2 | length 4.2
  Top Layer w0.2: X3.2@82.8,10.1 82.8,12.05 84,13.25 C49.2@84,13.85
AVDD: R51.1 R52.1 R53.1 | length 22.3
  Top Layer w0.2: R51.1@109.05,39.925 109.075,39.9 v1(112,39.9) ; R53.1@109.05,41.925 109.075,41.9 v1(112,41.9)
  Top Layer w0.3: R52.1@113.338,33.238 v1(113.9,33.8)
  Signal_1 w0.3: v1(112,41.9) v1(112,39.9) 112,39.076 111.824,38.9 109.622,38.9 108.35,37.628 108.35,35.25 109.7,33.9 113.746,33.9 113.846,33.8 v1(113.9,33.8)
BOOT0: IC1.44 R12.2 X13.1 | length 45.2
  Top Layer w0.2: X13.1@50.36,8 51.46,8 51.85,8.39 51.85,8.435 53.425,10.01 54.51,10.01 R12.2@54.8,10.3 ; IC1.44@51.25,31.65 51.25,32.95 v1(51.5,33.2)
  Signal_2 w0.2: X13.1@50.32,7.94 49.62,8.64 49.085,8.64 45.7,12.025 45.7,29.275 46.55,30.125 46.55,35.05 47.45,35.95 49.55,35.95 49.85,35.65 49.85,33.043 50.26,32.633 50.933,32.633 v1(51.5,33.2)
"Button Reset": C27.2 IC5.13 R43.1 S1.1 S1.3 | length 51.9
  Top Layer w0.2: IC5.13@106.6,23.75 106.087,23.75 106.037,23.8 106.037,26.763 105.6,27.2 102.491,27.2 101.615,26.324 101.615,9.585 102.8,8.4 111.175,8.4 C27.2@112.175,7.4
  Top Layer w0.3: S1.3@102.025,2.25 S1.1@109.975,2.25 110.475,2.75 111.275,2.75 R43.1@112.175,3.65 ; R43.1@112.1,3.8 112.025,3.8 111.2,4.625 111.2,6.425 C27.2@112.175,7.4
Button_1: IC5.28 R59.2 R61.2 T1.C | length 100.9
  Top Layer w0.2: R61.2@44.3,32.75 44.1,32.75 43.55,33.3 42.04,33.3 41.65,32.91 41.65,30.1 41.3,29.75 41.3,10.984 41.784,10.5 T1.C@48.5,10.5 ; T1.C@48.6,10.5 R59.2@50.75,10.5 50.75,10.3 51.3,9.75 52.67,9.75 54.32,11.4 58.569,11.4 58.869,11.7 68.433,11.7 68.475,11.657 68.643,11.657 v1(68.7,11.6) ; IC5.28@109.55,16.8 109.55,17.75 110.2,18.4 v1(110.2,18.45)
  Signal_2 w0.2: v1(68.7,11.6) 72.95,15.85 106.243,15.85 107.407,17.014 107.421,17.014 107.925,17.518 107.925,18.032 108.843,18.95 109.7,18.95 110.15,18.5 110.2,18.5 v1(110.2,18.45)
Button_1_In: C25.1 IC5.5 R13.2 R60.2 SW4.1 SW4.3 | length 103.3
  Top Layer w0.2: R60.2@42.85,11.5 42.723,11.627 41.95,11.627 41.65,11.927 41.65,27.05 SW4.1@42.75,28.15 SW4.3@49.25,28.15 ; R13.2@51.5,28.55 51.265,28.55 50.865,28.15 SW4.3@49.25,28.15 ; C25.1@53.5,26.45 53.31,26.45 53.11,26.25 53.11,26.06 52.85,25.8 49.8,25.8 49.25,26.35 SW4.3@49.25,28.15 ; v1(108.4,23.3) 109.8,21.9 111.283,21.9 111.55,22.167 IC5.5@111.55,25.2
  Signal_2 w0.2: SW4.3@49.25,28.15 56.265,28.15 57.315,29.2 59.304,29.2 59.504,29.4 61.493,29.4 61.693,29.2 64.685,29.2 65.735,28.15 84.844,28.15 85.194,28.5 103.702,28.5 108.352,23.85 108.352,23.348 v1(108.4,23.3)
Button_1_MCU: IC1.41 R6.1 SW1.1 SW1.3 | length 53.3
  Top Layer w0.2: v1(49.1,30) 49.157,30.057 49.538,30.057 49.75,30.269 IC1.41@49.75,31.65 ; SW1.1@65,3.6 SW1.1@65.05,3.65 ; SW1.3@65.05,10.15 SW1.1@65.05,3.65 ; R6.1@66.35,1.4 66.35,1.625 65.318,2.657 65.318,3.382 SW1.1@65.05,3.65
  Signal_2 w0.2: v1(49.1,30) 49.043,29.943 48.843,29.943 47.45,28.55 47.45,13.285 47.45,12.75 47.95,12.25 48.485,12.25 52.448,12.25 52.648,12.45 56.203,12.45 56.403,12.25 60.248,12.25 63.95,8.548 63.95,4.75 SW1.1@65.05,3.65
BUTTON_2: C26.1 IC5.11 R41.2 R82.2 SW5.1 SW5.3 | length 76.9
  Top Layer w0.2: R82.2@42.6,32.7 42.6,29.417 42.817,29.2 48.576,29.2 48.651,29.275 52.234,29.275 52.654,28.855 53.984,28.855 54.239,28.6 R41.2@55.4,28.6 ; C26.1@55.5,24.65 55.7,24.65 57.75,26.7 SW5.1@57.75,28.15 ; R41.2@55.5,28.55 55.828,28.222 57.678,28.222 SW5.1@57.75,28.15 ; SW5.3@64.25,28.15 64.15,28.05 61.54,28.05 61.39,27.9 59.427,27.9 59.177,28.15 SW5.1@57.75,28.15 ; v1(106.6,24.4) 106.65,24.35 107.15,24.35 107.25,24.25 108.383,24.25 108.5,24.367 108.5,25.15 IC5.11@108.55,25.2
  Signal_2 w0.2: SW5.3@64.25,28.15 64.36,28.04 65.35,28.04 65.59,27.8 84.8,27.8 85.4,27.2 103.8,27.2 v1(106.6,24.4)
Button_2_MCU: IC1.42 R7.1 SW2.1 SW2.3 | length 60.5
  Top Layer w0.2: v1@50.1,29.8 v1(50.25,29.95) IC1.42@50.25,31.65 ; SW2.1@72.3,3.4 SW2.1@72.55,3.65 ; SW2.3@72.55,10.15 SW2.1@72.55,3.65 ; R7.1@73.85,1.4 73.487,1.763 73.487,2.013 72.778,2.722 72.778,3.422 SW2.1@72.55,3.65
  Signal_2 w0.2: v1(50.25,29.95) 49.539,29.239 48.664,29.239 47.8,28.375 47.8,12.895 48.095,12.6 52.303,12.6 52.503,12.8 56.348,12.8 56.548,12.6 60.393,12.6 64.5,8.493 64.5,5.7 65,5.2 69.485,5.2 71.035,3.65 SW2.1@72.55,3.65
Button_3: C28.1 NT3.1 R44.2 R62.2 SW6.1 SW6.3 | length 64.2
  Top Layer w0.2: v1(40.9,31.7) R62.2@40.9,32.75 ; SW6.1@42.75,18.15 SW6.3@49.25,18.15 49.272,18.128 51.222,18.128 R44.2@51.5,17.85 51.608,17.85 51.981,18.224 51.981,18.641 52.84,19.5 54.091,19.5 54.666,18.925 57.04,18.925 57.315,19.2 65.6,19.2 66.095,19.2 79.095,6.2 NT3.1@83.225,6.2 ; R44.2@51.554,17.796 51.7,17.65 C28.1@53.35,17.65
  Signal_2 w0.2: v1(40.9,31.7) 41.3,31.3 41.3,19.6 42.5,18.4 SW6.1@42.5,18.3
Button_3_MCU: IC1.43 R8.1 SW3.1 SW3.3 | length 69.6
  Top Layer w0.2: v1(50.4,33.2) 50.75,32.85 IC1.43@50.75,31.65
  Top Layer w0.3: R8.1@9.5,11.47 9.52,11.45 SW3.1@11.85,11.45 18.05,11.45 SW3.3@18.1,11.4
  Signal_2 w0.2: SW3.3@18.35,11.45 18.49,11.45 19.115,10.825 42.508,10.825 44.22,12.537 44.22,23.759 44.05,23.929 44.05,35.582 44.768,36.3 49.7,36.3 50.4,35.6 v1(50.4,33.2)
Button_4: C29.1 NT2.1 R46.2 R68.2 SW7.1 SW7.3 | length 66.7
  Top Layer w0.2: R68.2@39.2,32.75 39.3,32.65 v1(39.3,31.7) ; C29.1@53.4,18.95 54.146,18.95 54.812,18.284 54.812,18.224 55.185,17.85 R46.2@55.4,17.85 55.678,18.128 57.728,18.128 SW7.1@57.75,18.15 SW7.3@64.25,18.15 66.65,18.15 73.134,11.666 79.35,5.45 NT2.1@83.104,5.45
  Signal_1 w0.2: v1(40.8,20.3) 49.7,20.3 49.841,20.159 49.841,19.94 50.1,19.681 v1(50.1,19.6) 51.55,18.15 SW7.1@57.75,18.15
  Signal_2 w0.2: v1@39.3,31.6 39.302,31.602 39.398,31.602 40.8,30.2 v1(40.8,20.3)
CVDD: R43.2 R54.1 | length 46.2
  Top Layer w0.3: R54.1@108.998,36.002 109.013,36.002 109.461,36.45 109.461,36.466 v1(110.075,37.08) ; R43.2@112.4,1.75 112.525,1.75 113.575,2.8 v1(113.6,2.8)
  Signal_1 w0.3: v1@110,37 110.4,37.4 113.76,37.4 119.1,32.06 119.1,9.622 114.2,4.722 114.2,3.4 v1(113.6,2.8)
GND: C1.1 C2.1 C3.1 C4.1 C5.2 C6.2 C7.2 C8.1 C9.2 C10.2 C11.1 C12.1 C14.1 C15.1 C16.1 C17.1 C18.1 C19.1 C20.1 C21.1 C22.1 C23.1 C24.1 C26.2 C27.1 C28.2 C29.2 C30.1 C31.1 C35.1 C36.1 C37.1 C38.1 C39.1 C40.1 C41.1 C42.1 C44.1 C45.1 C46.1 C48.2 D1.1 D2.1 D3.3 D3.8 D4.3 D7.3 D7.8 D8.3 D8.8 D9.1 D10.1 IC1.8 IC1.23 IC1.35 IC1.47 IC2.8 IC3.8 IC4.8 IC5.12 IC5.14 IC5.32 IC5.48 IC6.4 NT1.2 R1.1 R12.1 R13.1 R42.2 R45.2 R48.2 R79.2 S1.2 S1.4 S3.2 S3.4 SW1.2 SW1.4 SW2.2 SW2.4 SW3.2 SW3.4 T1.E VR1.1 X1.4 X1.S1 X1.S2 X2.6 X2.G1 X2.G2 X2.G3 X2.G4 X4.2 X6.4 X8.3 X15.3 XTAL1.2 XTAL1.4 | length 95.2
  Top Layer w0.2: IC2.8@30.45,36.125 30.5,36.075 v1(30.5,35.6)
  Top Layer w0.3: v1(1.8,24.6) C15.1@3.33,24.6 ; v1(2.1,17.9) C18.1@3.23,17.9 ; v1(2.1,20.2) C17.1@3.23,20.2 ; v1(2.1,22.5) C19.1@3.23,22.5 ; C16.1@4.87,30.9 v1(5.7,30.9) 5.7,30.075 5.05,29.425 VR1.1@5.05,29.175 ; IC4.8@9.65,36.1 v1(10.6,36.1) ; C23.1@17.5,38.73 17.525,38.73 18.362,37.893 18.362,37.738 v1(18.4,37.7) ; C24.1@18.97,42 v1(20.1,42) ; IC3.8@20.05,36.125 20.062,36.113 21.388,36.113 v1(21.4,36.1) ; C21.1@28.17,38.7 28.355,38.7 28.917,38.138 29.162,38.138 v1(29.2,38.1) ; C22.1@29.7,42 v1(30.83,42) ; v1(37.05,7.65) S3.4@38.1,7.65 ; C14.1@39.87,40.4 v1(39.87,39.53) v1@39.9,39.5 ; C20.1@39.9,42.3 v1(41.03,42.3) ; v1@43.5,29.9 v1(43.53,29.93) C4.1@43.53,30.8 ; v1(44.95,41.9) C3.1@46.25,41.9 ; v1(45.7,32.3) 45.7,32.318 45.25,32.768 45.25,33.132 45.558,33.44 IC1.35@45.7,33.44 ; T1.E@46.25,9.5 v1(47.2,9.5) ; S3.2@47.1,7.65 v1(48.15,7.65) ; IC1.23@48.26,40.5 48.26,40.642 48.662,41.044 48.662,41.262 v1(48.7,41.3) ; v1(50.4,26.3) 50.438,26.338 51.088,26.338 R13.1@51.35,26.6 ; R13.1@51.5,26.65 51.825,26.975 52.391,26.975 52.646,27.23 v1(52.7,27.23) 52.7,27.255 53.475,28.03 C1.1@53.5,28.03 ; R48.2@52.1,14.2 v1(53.4,14.2) ; IC1.47@52.75,31.65 52.75,33.15 v1@52.9,33.3 ; v1@52.8,33.246 v1(52.8,33.3) ; v1(53,36.5) 53.054,36.5 53.104,36.45 IC1.8@53.8,36.45 ; C28.2@53.4,16.1 v1(53.4,14.2) ; C29.2@53.4,20.5 v1(53.4,21.55) ; C9.2@54.35,41.9 v1(55.3,41.9) ; v1(54.8,23.15) C26.2@55.5,23.15 ; R79.2@55.4,14.15 55.375,14.175 53.425,14.175 v1(53.4,14.2) ; R42.2@55.7,19.7 v1(56.75,19.7) ; R12.1@56.15,10.2 56.345,10.2 56.485,10.06 56.485,9.269 56.8,8.954 v1(56.8,8.9) ; C2.1@57.55,30.6 57.55,30.595 58.407,29.738 58.462,29.738 v1(58.5,29.7) ; C5.2@58.17,37.9 v1(59.3,37.9) ; C7.2@58.17,39.7 v1(59.3,39.7) ; C12.1@58.2,36.1 v1(59.33,36.1) ; C6.2@60.95,30.6 60.95,30.595 61.807,29.738 61.862,29.738 v1(61.9,29.7) ; C10.2@64.45,30.6 v1(65.4,30.6) ; X2.G2@69.745,31.8 69.745,27.105 69.921,26.929 71.062,26.929 v1(71.1,26.968) ; X2.G3@71.798,42.443 71.8,42.44 v1(71.8,41) ; v1(73.1,32.8) 73.103,32.798 73.103,31.457 73.1,31.455 X2.6@73.105,31.45 ; v1@77.797,41.003 X2.G4@77.797,42.343 ; v1(80.3,2.4) C8.1@81.25,2.4 ; X2.G1@81.3,31.7 81.4,31.6 82.124,31.6 82.3,31.424 v1(82.3,30.7) 81.8,30.2 81.75,30.2 81.6,30.05 C48.2@81.6,30 ; R45.2@83.5,41.25 v1(83.5,42.2) ; v1(91.583,7.333) 91.583,7.279 91.9,6.962 IC6.4@91.9,6.35 ; S1.4@102.025,6.75 v1(103.65,6.75) v1@103.7,6.8 ; D4.3@104.07,38 v1(104.8,38) ; XTAL1.4@104.75,12.55 v1(104.75,11.35) 104.788,11.312 104.788,10.912 105,10.7 C35.1@105.7,10.7 C35.1@105.8,10.7 ; v1(105.4,23.3) 105.454,23.3 105.504,23.25 IC5.14@106.6,23.25 ; v1(105.5,32.3) 105.525,32.275 106.525,32.275 C45.1@106.55,32.3 ; C36.1@105.8,16.4 v1(105.8,17.3) ; XTAL1.2@106.55,14.85 106.6,14.9 v1(107.5,14.9) 107.538,14.938 108.462,14.938 C37.1@108.5,14.9 ; v1(107.9,33.3) 107.938,33.262 107.938,32.987 108.675,32.25 C40.1@108.9,32.25 ; IC5.12@108.05,25.2 108.05,26.396 108.1,26.446 v1(108.1,26.5) ; v1(109,28.7) 109.025,28.725 110.175,28.725 C44.1@110.2,28.75 ; v1(110,5.5) S1.2@110,6.45 ; C30.1@111,32.25 111.012,32.263 112.132,32.263 112.362,32.492 112.362,32.662 v1(112.4,32.7) ; v1(111.5,15.5) 111.5,15.554 111.55,15.604 IC5.32@111.55,16.8 ; C41.1@111.9,28.75 111.9,29.346 112.1,29.546 v1(112.1,29.6) ; C27.1@112.625,5.5 113.212,4.913 113.212,4.588 v1(113.25,4.55) ; v1(113,8.6) 114.125,8.6 114.775,9.25 C11.1@115,9.25 ; v1(113,29.6) 113,29.546 113.25,29.296 113.25,28.9 113.4,28.75 C31.1@113.6,28.75 ; v1(113.1,12.3) C46.1@113.1,13.25 ; IC5.48@115,23.75 115.55,23.75 115.962,24.162 115.962,24.362 v1(116,24.4) ; C42.1@115.15,12.7 115.188,12.738 116.462,12.738 v1(116.5,12.7) ; v1(116,13.9) 116.054,13.9 116.204,13.75 116.7,13.75 C39.1@116.85,13.6 ; v1(116,15.8) 116.054,15.8 116.204,15.65 C38.1@116.9,15.65
  other v1: 77.8,41
  other v2: 108,38.775 105.95,38.8 85.455,42.44 101.799,42.42 106.012,42.665